# KiCad board tkl_keyboard.kicad_pcb (continued)
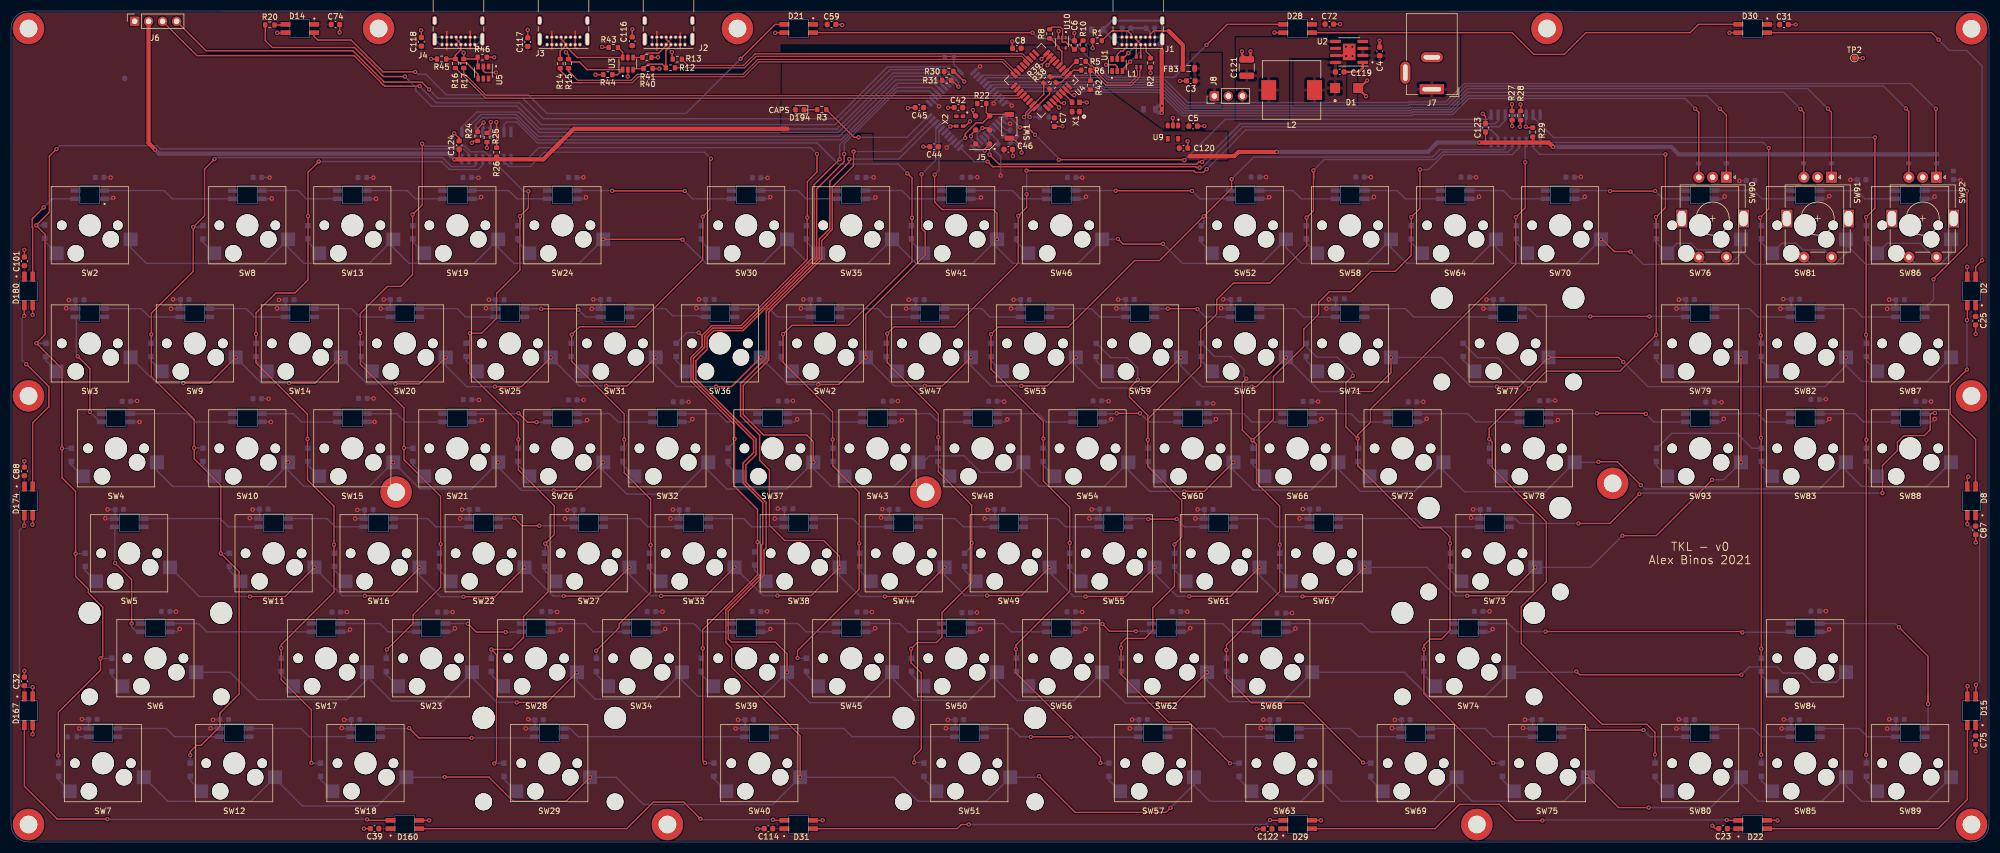
[diagram p0: board, top side]
## Routing (per net, layer and track width the routed paths; a pad name or vN(x,y) marks a point on that pad's centre or on a via; arc(x,y) is an arc through that point) (continued)
GND: length 133.8
  Top w0.25: v2(2.42,107.45) 2.43,107.44 C101.2 ; v2(356.37,16.47) 356.37,16.47 C75.2 ; J5.6 174.48,132.27 v1(174.48,132.83) ; D22.3 320.41,3.93 v2(320.43,3.91) ; v1(87.64,142.4) 87.59,142.44 R46.2 ; C88.2 2.42,69.11 v2(2.43,69.12) ; v2(2.41,31.07) 2.42,31.06 C32.2 ; C122.2 v1(225.93,2.38) ; v1(186.82,140.89) 188.43,142.5 U4.7 ; C23.2 309.12,2.43 v2(308.6,2.95) ; D29.3 237.6,3.93 v2(237.61,3.92) ; C7.2 190.7,129.87 v1(190.72,129.89) ; D8.3 354.85,66.11 v2(355.03,66.29) ; v1(106.02,139.27) 107.43,139.27 R44.2 ; R45.2 76.21,142.1 v1(76.18,142.12) ; C59.2 150.67,148.37 v2(150.77,148.27) ; v1(107.21,144.3) 107.3,144.2 R43.2 ; v2(147.23,3.94) 147.21,3.93 D31.3 ; v1(117.36,142.42) 117.33,142.39 R41.2 ; R40.2 117.57,140.36 v1(117.6,140.33) ; D2.3 354.85,104.36 v2(354.82,104.38) ; C114.2 135.41,2.41 v2(135.38,2.39) ; v1(80.39,128.62) 81.28,127.73 81.28,127.24 ; D160.3 75.85,3.93 v2(75.85,3.93) ; D180.3 3.93,95.65 v2(3.92,95.64) ; C87.2 356.37,54.36 v2(356.36,54.35) ; v1(192.86,146.81) 192.89,146.78 C6.1 ; D15.3 354.85,28.26 v2(354.89,28.3) ; D167.3 3.93,19.55 v2(3.91,19.54) ; v2(3.88,57.59) 3.93,57.63 D174.3 ; U10.3 190,147.14 v1(190.02,147.16) ; U5.2 85.67,139.97 85.99,139.65 v1(87.96,139.65) ; C74.2 59.63,146.96 v1(59.59,146.93) ; v1(266.95,132.18) 267.46,131.67 C123.2 ; U4.7 U4.8 187.86,143.01 186.82,141.96 ; U4.7 U4.6 189,141.95 v1(188,140.95) ; v2(48.28,146.87) 48.34,146.81 49.8,146.81 ; v2(64,2.43) 64.01,2.42 C39.2
  Top w0.254: v1(181.62,145.31) 181.62,144.13 181.69,144.06 C8.2 ; v1(210.74,131.41) 210.76,131.4 U9.2 ; C118.2 74.42,147.29 v1(74.38,147.33) ; C44.2 165.51,126.18 v1(165.48,126.21) ; C120.2 213.45,127.13 v1(213.41,127.17) ; v1(356.35,92.18) 356.36,92.19 C25.2 ; SW1.2 181.73,127.74 183.29,126.18 v1(183.29,125.11) ; R2.1 v1(206.69,139.56) ; X2.2 173.08,129.92 v1(173.94,130.78) ; R1.1 196.2,144.08 v1(196.2,144.08) ; R25.2 86.33,126 v1(86.31,125.98) ; v1(195.12,134.23) 195.11,134.24 X1.2 ; v1(212.01,138.12) 212.03,138.13 C3.2 ; v1(198.62,141.05) 200.32,141.05 200.66,140.72 U1.2 ; C72.2 v1(241.07,148.43) ; R27.2 272.27,133.89 v1(272.26,133.9) ; v1(229.16,146.91) 229.18,146.89 D28.3 ; v1(181.74,124.48) 181.67,124.54 C46.2 ; U4.31 192.38,135.54 v1(192.85,135.54) ; v1(190.09,133.31) 189,134.4 U4.27 ; v1(112.7,147.5) 112.67,147.48 C116.2 ; v1(191.01,134.09) 190.44,134.09 U4.28 ; v1(216.46,129.94) 216.45,129.93 C5.2 ; 140.27,146.89 138.64,146.89 v1(138.61,146.86) ; v1(169.98,133.27) 170,133.29 C42.2 ; v1(83.57,126.89) 83.92,127.25 R24.2 ; v1(93.71,147.4) 93.73,147.39 C117.2 ; C45.2 162.76,133.28 v1(162.67,133.19) ; C31.2 v1(323.72,148.36) ; v1(273.8,133.86) 273.83,133.83 R28.2 ; v1(111.86,138.94) 111.89,138.97 U3.2 ; TP2.1 335.86,142.28 v1(335.89,142.26) ; v1(311.71,146.88) 311.71,146.89 D30.3
  Top w0.406: v1(245.99,138.21) 244.61,136.83 D1.2 244.36,136.78 v1(245.8,135.34) ; v1(248.23,145.43) 248.26,145.41 C4.2 ; v1(224.83,143.47) 224.83,142.72 C121.2 223.28,142.89 v1(223.28,143.49) ; U2.9 242.09,142.75 U2.7
  Bottom w0.254: J2.A1 J2.B12 ; J2.B1 J2.A12 ; J4.A12 77.82,144.72 J4.S1 77.21,146.07 J4.B1 J4.A12 ; J4.B12 J4.A1 84.51,144.72 J4.S1 85.12,146.07 J4.B12
  vias: v1(186.91,142.12) v1(242.15,144.33) v1(242.17,142.62) v1(243.3,144.33) v1(243.34,142.6)
VBUS: length 26.6
  Top w0.254: J1.A9 202.36,144.22 201.67,143.53 201.27,143.53 200.66,142.92 U1.5 ; 209.98,147.22 207.27,147.22 206.61,146.56 J1.B9
  Top w0.762: FB3.2 212.56,144.63 209.98,147.22
  Bottom w0.25: C2.1 206.61,147 J1.B9 ; J1.B4 202.36,146.95 C1.1 ; J1.B4 J1.A9 ; J1.B4 202.36,146.78 ; J1.B9 J1.A4 ; J1.B9 206.61,147
  Bottom w0.406: C1.1 C2.1
/Column Decoder/COL[0]: length 208.5
  Top w0.25: v1(8.59,15.69) 8.59,23.54 16.23,31.18 v1(16.23,33.29) 16.63,33.69 16.63,42.64 14.02,45.26 14.02,45.89 11.71,48.2 v1(11.71,52.32) 11.71,63.62 9.25,66.08 v1(9.25,71.42) 9.25,85.87 v1(4.6,90.52) 6.17,92.09 6.17,110.31 v1(4.57,111.91) 6.96,114.29 6.96,124.46 v1(8.25,125.75) 8.01,125.51
  Bottom w0.25: D35.1 13.37,52.32 v1(11.71,52.32) ; v1(16.23,33.29) 18.22,33.29 D36.1 ; D32.1 6.02,111.91 v1(4.57,111.91) ; D33.1 6.34,90.52 v1(4.6,90.52) ; 83.08,123.89 83.08,124.86 82.17,125.78 27.09,125.78 26.48,126.39 8.88,126.39 v1(8.25,125.75) ; D34.1 10.88,71.42 v1(9.25,71.42) ; D37.1 8.64,15.64 v1(8.59,15.69)
/Column Decoder/COL[1]: length 181.7
  Top w0.25: 36.52,123.54 v1(36.92,123.94) 35.1,122.13 35.1,113.66 v1(33.05,111.6) 33.05,103.57 25.45,95.98 v1(25.45,92.12) 25.45,84.49 33.22,76.71 v1(33.22,71.52) 33.22,69.54 38.05,64.71 v1(38.05,52.37) 41.38,49.04 41.38,26.87 37.87,23.36 37.87,20.93 34.48,17.54 33.65,17.54 32.51,16.4 v1(32.51,15.74)
  Bottom w0.25: D42.1 v1(32.51,15.74) ; D39.1 25.45,90.56 v1(25.45,92.12) ; v1(38.05,52.37) 39.59,52.37 D41.1 ; D38.1 34.56,111.6 v1(33.05,111.6) ; 84.35,123.89 84.35,122.91 84.03,122.59 79.89,122.59 78.26,124.22 37.19,124.22 v1(36.92,123.94) ; v1(33.22,71.52) 34.73,71.52 D40.1
/Column Decoder/COL[2]: length 170.5
  Top w0.25: v1(54.48,14.34) 54.48,23.97 49.01,29.44 v1(49.01,35.19) 49.01,35.81 58.59,45.38 v1(58.59,53.93) 58.59,60.94 53.77,65.75 v1(53.77,73.15) 53.77,77.63 44.44,86.96 v1(44.44,92.2) 44.44,96.02 48.07,99.65 51.51,99.65 53.87,102.01 v1(53.87,113.58) 53.87,121.56 v1(55.81,123.49) 55.41,123.09
  Bottom w0.25: D48.1 54.52,14.31 v1(54.48,14.34) ; D47.1 49.01,33.37 v1(49.01,35.19) ; v1(53.87,113.58) 53.87,111.87 D43.1 ; v1(53.77,73.15) 53.77,71.53 D45.1 ; 85.62,123.89 85.62,122.91 84.76,122.05 79.54,122.05 78.1,123.49 v1(55.81,123.49) ; v1(58.59,53.93) 58.59,52.5 D46.1 ; D44.1 44.44,90.52 v1(44.44,92.2)
/Column Decoder/COL[3]: length 130.8
  Top w0.25: 74.68,126.64 v1(74.59,126.73) 74.59,115.63 v1(72.83,113.87) 72.83,102.98 70.69,100.83 68.28,100.83 63.36,95.92 v1(63.36,92.39) 63.36,86.7 71.29,78.77 v1(71.29,71.52) 71.29,69.36 77.91,62.73 v1(77.91,54.04) 77.91,46.22 72.94,41.24 72.94,39.69 v1(68.17,34.93)
  Bottom w0.25: D53.1 68.07,34.83 v1(68.17,34.93) ; 85.96,125.25 86.89,124.32 86.89,123.89 ; v1(72.83,113.87) 72.83,111.91 D49.1 ; D52.1 77.91,52.6 v1(77.91,54.04) ; D51.1 72.83,71.52 v1(71.29,71.52) ; v1(63.36,92.39) 63.36,90.65 D50.1
  Bottom w0.254: 85.96,125.25 83.37,125.25 82.33,126.28 75.04,126.28 v1(74.59,126.73)
/Column Decoder/COL[4]: length 145.4
  Top w0.25: v1(87.66,14.24) 88.06,14.64 88.06,34.01 v1(87.12,34.94) 90.81,34.94 92.95,37.09 92.95,40.93 97.42,45.4 97.42,53.65 v1(96.91,54.16) 98.54,55.78 98.54,61 92.02,67.52 v1(92.02,73.07) 92.02,76.16 83.22,84.96 v1(83.22,92.32) 85.35,92.32 88.06,95.04 88.06,99.56 92.3,103.8 v1(92.3,113.57) 93.85,115.11 v1(93.85,118.1)
  Top w0.254: 93.73,117.92 93.73,117.99 v1(93.85,118.1)
  Bottom w0.25: v1(83.22,92.32) 83.22,91.18 D55.1 ; v1(87.66,14.24) 87.72,14.31 D59.1 ; D57.1 96.91,52.55 v1(96.91,54.16) ; v1(92.02,73.07) 92.02,71.53 D56.1 ; D54.1 92.3,112.2 v1(92.3,113.57) ; 87.12,32.91 v1(87.12,34.94) D58.1
  Bottom w0.254: v1(93.85,118.1) 92.98,118.1 88.16,122.91 88.16,123.89
/Column Decoder/COL[5]: length 163.7
  Top w0.25: 127.07,123.9 v1(126.95,124.02) 126.76,123.82 126.76,114.79 v1(125.46,113.49) 125.46,105.68 113.28,93.5 103.11,93.5 v1(101.69,92.08) 101.69,87.22 111.23,77.68 v1(111.23,73.03) 111.23,67.01 116.01,62.22 v1(116.01,53.88) 116.01,45.29 110.31,39.59 110.31,38.89 v1(106.13,34.72)
  Bottom w0.25: v1(111.23,73.03) 111.23,71.68 D62.1 ; v1(101.69,92.08) 101.69,90.6 D61.1 ; D63.1 116.01,52.6 v1(116.01,53.88) ; D60.1 125.46,112.08 v1(125.46,113.49) ; 89.43,123.89 89.43,123.51 90.36,122.59 94.15,122.59 96.75,125.19 125.78,125.19 v1(126.95,124.02) ; D64.1 106.17,34.68 v1(106.13,34.72)
/Column Decoder/COL[6]: length 206.2
  Top w0.25: 125.36,89.98 125.36,91.83 v1(124.73,92.45) ; 125.36,89.98 123.32,87.94 123.32,83.56 123.42,83.56 131.22,75.76 v1(131.22,73.16) 131.22,64.52 135.39,60.34 v1(135.39,54.41) 135.39,48.48 125.46,38.55 v1(125.46,35.15) 125.46,14.76 v1(125.87,14.36) ; 125.36,89.98 125.36,91.98 127.1,93.72 132.39,93.72 144.44,105.76 v1(144.44,113.34) 144.44,119.84 146.18,121.59 v1(146.18,124.88)
  Bottom w0.25: v1(125.46,35.15) 125.46,33.6 D69.1 ; v1(144.44,113.34) 144.44,112.01 D65.1 ; D68.1 135.39,53.18 v1(135.39,54.41) ; v1(131.22,73.16) 131.22,72.62 D67.1 ; v1(124.73,92.45) 122.6,92.45 D66.1 ; v1(146.18,124.88) 145.05,126.01 95.71,126.01 93.59,123.89 90.7,123.89 ; v1(125.87,14.36) 125.92,14.31 D70.1
/Column Decoder/COL[7]: length 201.3
  Top w0.25: v1(162.59,121.35) 163.42,120.51 v1(163.42,113.29) 163.42,105.3 151.89,93.77 141.63,93.77 v1(140.03,92.17) 140.03,87.06 149.02,78.07 v1(149.02,73.04) 149.02,68.27 153.85,63.44 v1(153.85,54.18) 153.85,45.92 142.66,34.73 v1(142.66,33.38)
  Bottom w0.25: v1(142.66,33.38) 142.68,33.36 D75.1 ; D71.1 163.42,111.94 v1(163.42,113.29) ; D72.1 140.03,90.84 v1(140.03,92.17) ; D74.1 153.85,52.48 v1(153.85,54.18) ; v1(149.02,73.04) 149.02,71.53 D73.1 ; 158.65,123.04 150.99,123.04 ; 146.2,126.87 95.5,126.87 91.7,130.67 89.85,130.67 89.41,130.23 U7.7
  Bottom w0.254: 146.2,126.87 150.03,123.04 150.99,123.04 ; v1(162.59,121.35) 160.89,123.04 158.65,123.04
/Column Decoder/COL[8]: length 242.1
  Top w0.25: v1(184.23,117.57) 184.23,115.17 v1(182.7,113.65) 182.7,105.05 171.15,93.49 160.16,93.49 v1(158.93,92.26) 158.93,86.96 168.2,77.69 v1(168.2,73.45) 168.2,67.2 174.27,61.13 v1(174.27,54.27) 174.27,47.06 168.86,41.65 168.86,37.18 167.88,36.2 164.4,36.2 v1(163.26,35.06) 163.26,32.51 165.11,30.65 165.11,16.86 163.83,15.58 v1(163.83,14.42)
  Top w0.254: v1(216.89,122.12) 216.28,121.51 214.83,121.51 214.5,121.84 v1(184.2,121.84) ; 184.22,117.58 v1(184.23,117.57)
  Bottom w0.25: 268.83,128.87 269.76,127.94 ; v1(158.93,92.26) 158.93,90.68 D77.1 ; v1(163.26,35.06) 163.26,33.42 D80.1 ; v1(163.83,14.42) 165.38,14.42 165.49,14.31 D81.1 ; v1(168.2,73.45) 168.2,71.51 D78.1 ; v1(174.27,54.27) 174.27,53.7 D79.1 ; v1(182.7,113.65) 182.7,112.17 D76.1
  Bottom w0.254: v1(184.23,117.57) 184.23,121.81 v1(184.2,121.84) ; v1(216.89,122.12) 222.28,127.5 222.28,127.54 223.98,129.24 268.46,129.24 269.76,127.94 269.76,126.96
/Column Decoder/COL[9]: length 213.9
  Top w0.25: v1(221.39,120.3) 221.39,118.6 v1(216.36,113.56) 208.32,105.52 203.82,105.52 191.76,93.46 179.06,93.46 v1(177.75,92.15) 177.75,85.83 187.25,76.34 v1(187.25,73.2) 187.25,65.52 192.03,60.74 v1(192.03,54.29) 192.03,45.48 182.27,35.72 v1(182.27,34.99) 182.27,30.71 197.61,15.37 v1(197.61,14.34)
  Top w0.254: 221.41,120.27 v1(221.39,120.3)
  Bottom w0.25: v1(197.61,14.34) 197.65,14.31 D87.1 ; v1(177.75,92.15) 177.75,90.55 D83.1 ; v1(187.25,73.2) 187.25,71.51 D84.1 ; D85.1 192.03,52.41 v1(192.03,54.29) ; D82.1 216.36,112.3 v1(216.36,113.56) ; D86.1 182.27,33.46 v1(182.27,34.99)
  Bottom w0.254: 271.03,126.96 271.03,125.99 270.71,125.66 260.25,125.66 260.24,125.67 259.17,125.67 257.82,124.32 225.41,124.32 v1(221.39,120.3)
/Column Decoder/COL[10]: length 216.3
  Top w0.25: v1(206.19,73) 206.19,76.75 215.81,86.37 215.81,92.92 218.69,95.8 218.69,98.42 221.71,101.44 228.32,101.44 235.01,108.13 v1(235.01,113.32) 236.25,114.56 v1(236.25,121.89) ; v1(206.19,73) 206.19,77.44 202.86,80.77 202.86,82.39 v1(204.38,83.91) ; v1(206.19,73) 206.19,68.16 212.35,62 212.35,55.33 v1(211.03,54) 211.04,53.99 211.04,46.43 207.1,42.49 207.1,38.36 205.69,36.95 202.24,36.95 201.36,36.07 v1(201.36,35.21) 201.36,30.38 209.98,21.76 213.63,21.76 v1(221.12,14.28)
  Top w0.254: v1(236.25,121.89) 236.29,121.84 236.29,120.34
  Bottom w0.25: v1(201.36,35.21) 201.36,33.42 D92.1 ; v1(206.19,73) 206.19,71.52 D90.1 ; D88.1 235.01,111.9 v1(235.01,113.32) ; v1(204.38,83.91) 204.38,85.98 202.46,87.9 199.46,87.9 D89.1 ; D93.1 221.14,14.31 v1(221.12,14.28) ; D91.1 211.03,52.45 v1(211.03,54)
  Bottom w0.254: v1(236.25,121.89) 238.21,123.86 258.32,123.86 259.68,125.21 260.06,125.21 260.06,125.21 271.52,125.21 272.3,125.99 272.3,126.96
/Column Decoder/COL[11]: length 198.9
  Top w0.25: v1(225.19,72.9) 223.34,74.75 223.34,83.36 v1(224.06,84.09) ; v1(225.19,72.9) 228.99,76.7 228.99,84.45 234.48,89.95 234.48,93.07 237.19,95.78 237.19,97.94 239.11,99.86 243.01,99.86 246.72,103.57 251.07,103.57 253.98,106.48 v1(253.98,113.4) 255.57,114.99 v1(255.57,122.04) ; v1(225.19,72.9) 225.9,72.18 225.9,65.18 230.12,60.96 v1(230.12,53.96) 230.12,45.43 220.46,35.78 v1(220.46,34.82) 220.46,29.79 224.98,25.27 234.37,25.27 v1(245.23,14.41)
  Top w0.254: 255.66,121.96 v1(255.57,122.04)
  Bottom w0.25: v1(230.12,53.96) 230.12,52.41 D97.1 ; D98.1 220.46,33.37 v1(220.46,34.82) ; v1(245.23,14.41) 245.33,14.31 D99.1 ; D95.1 218.28,88.12 221.28,88.12 223.65,85.76 223.65,84.5 v1(224.06,84.09) ; D96.1 225.19,71.57 v1(225.19,72.9) ; D94.1 253.98,111.86 v1(253.98,113.4)
  Bottom w0.254: v1(255.57,122.04) 257.15,122.04 259.86,124.75 272.34,124.75 273.57,125.99 273.57,126.96
/Column Decoder/COL[12]: length 175.8
  Top w0.25: v1(244.27,73.21) 242.12,75.36 242.12,83.33 v1(243.39,84.6) ; v1(244.27,73.21) 244.27,68.27 255.5,57.04 259.32,57.04 261.01,55.35 v1(261.01,54.2) 261.01,38.4 259.43,36.82 257.39,36.82 256.29,35.72 v1(256.29,34.96) 256.29,26.9 v1(268.84,14.34) ; v1(244.27,73.21) 244.27,73.87 246.58,76.18 246.58,78.51 272.95,104.89 v1(272.95,113.4) 274.66,115.1 v1(274.66,123.37) 274.71,123.31
  Bottom w0.25: D100.1 272.95,111.94 v1(272.95,113.4) ; D101.1 234.95,89.89 236.86,87.98 240.57,87.98 243.39,85.16 v1(243.39,84.6) ; D102.1 244.27,71.54 v1(244.27,73.21) ; v1(261.01,54.2) 261.01,52.51 D103.1 ; 274.84,126.96 274.66,126.77 v1(274.66,123.37) ; v1(268.84,14.34) 268.88,14.31 D105.1 ; v1(256.29,34.96) D104.1
/Column Decoder/COL[13]: length 198.2
  Top w0.25: v1(298.2,15.87) 298.2,19.88 296.71,21.37 288.58,21.37 273.93,36.02 273.93,42.69 278.48,47.24 278.48,58.09 268.67,67.9 268.67,72.59 v1(268.12,73.13) 268.12,75.06 v1(275.34,82.27) 278.52,85.45 291.84,85.45 v1(298.42,92.04) 298.42,113.35 v1(298.37,113.4) 300.09,115.12 v1(300.09,124.79)
  Bottom w0.25: D108.1 268.12,71.56 v1(268.12,73.13) ; v1(300.09,124.79) 277.31,124.79 276.11,125.99 276.11,126.96 ; D109.1 298.42,90.54 v1(298.42,92.04) ; v1(275.34,82.27) 269.72,87.89 266.01,87.89 D107.1 ; D106.1 298.37,111.92 v1(298.37,113.4) ; D110.1 298.2,15.87 v1(298.2,15.87)
/Column Decoder/COL[14]: length 182.3
  Top w0.25: v1(317.47,15.84) 317.47,35.07 v1(317.48,35.08) 317.48,73.29 v1(317.4,73.37) 317.4,91.9 v1(317.36,91.95) 317.36,113.22 v1(317.26,113.32) 318.82,114.87 v1(318.82,125.96)
  Bottom w0.25: v1(318.82,125.96) 317.81,126.96 277.38,126.96 ; v1(317.36,91.95) 317.36,90.65 D112.1 ; v1(317.26,113.32) 317.26,112.08 D111.1 ; v1(317.48,35.08) 317.48,33.38 D114.1 ; v1(317.4,73.37) 317.4,71.55 D113.1 315.8,71.46 313.08,74.18 301.23,74.18 298.51,71.46 D192.1 ; v1(317.47,15.84) 317.5,15.81 D115.1
/Column Decoder/COL[15]: length 182.8
  Top w0.25: v1(336.52,15.81) 336.52,72.96 v1(336.54,72.99) 336.54,91.99 v1(336.48,92.05) 336.48,113.39 v1(336.49,113.4) 338.09,115 v1(338.09,127.86)
  Bottom w0.25: D119.1 336.55,15.78 v1(336.52,15.81) ; v1(336.48,92.05) 336.48,90.58 D117.1 ; 276.11,131.91 276.11,131.54 279.79,127.86 v1(338.09,127.86) ; D118.1 336.54,71.46 v1(336.54,72.99) ; D116.1 336.49,111.9 v1(336.49,113.4)
/Column Decoder/COLA[0]: length 96.6
  Bottom w0.25: 81.81,128.84 81.81,129.81 84.49,132.49 92.12,132.49 95.83,128.77 150.01,128.77 160.23,138.99
  Bottom w0.254: 160.23,138.99 168.42,138.99 U6.29
/Column Decoder/COLA[1]: length 94.7
  Bottom w0.25: 160.48,138.32 150.22,128.06 95.61,128.06 91.64,132.04 85.26,132.04 83.08,129.86 83.08,128.84
  Bottom w0.254: U6.28 168.88,137.4 168.86,137.4 167.94,138.32 160.48,138.32
/Column Decoder/COLA[2]: length 92.8
  Bottom w0.25: 84.35,128.84 84.35,130.28 85.49,131.41 91.6,131.41 95.59,127.43 150.54,127.43 159.77,136.66 159.77,136.66 160.5,137.4 160.5,137.4 160.8,137.69
  Bottom w0.254: U6.27 168.31,136.83 168.28,136.83 167.42,137.69 160.8,137.69
/Column Decoder/COLA[3]: length 95.1
  Top w0.254: v1(185.75,128.34) 185.17,128.92 185.17,128.97 184.45,129.69 v1(183.03,129.69) ; v1(212.83,123.74) 212.72,123.84 v1(190.04,123.84)
  Bottom w0.254: v1(212.83,123.74) 220.23,131.14 267.72,131.14 268.49,131.91 ; v1(190.04,123.84) 190.04,124.05 v1(185.75,128.34) ; U6.1 181.04,131.68 v1(183.03,129.69)
/Column Decoder/COLA[4]: length 102.2
  Top w0.25: v1(216.05,123.42) 215.49,123.42 215.08,123.02 179.24,123.02 v1(177.5,124.76)
  Bottom w0.25: 269.76,132.39 269.76,131.91 ; v1(216.05,123.42) 221.5,128.87
  Bottom w0.254: 221.08,128.45 221.09,128.45 222.99,130.35 269.18,130.35 269.76,130.94 269.76,131.91 269.76,131.53 ; v1(177.5,124.76) 177.5,125.79 176.89,126.4 176.89,127.12 U6.8 ; 221.5,128.87 221.5,128.88
/Column Decoder/COLA[5]: length 104.9
  Top w0.25: 178.25,122.56 214.86,122.56 215.03,122.4 v1(215.6,122.4)
  Top w0.254: 178.25,122.56 178.04,122.56 v1(177.13,123.48)
  Bottom w0.25: 221.99,128.33 216.05,122.4 v1(215.6,122.4)
  Bottom w0.254: U6.12 174.74,123.48 v1(177.13,123.48) 177.14,123.46 ; 221.99,128.33 221.99,128.42 223.36,129.8 269.89,129.8 271.03,130.94 271.03,131.91
/Misc/ENC_A[0]: length 151.9
  Top w0.254: SW90.A 311.15,131.9 v1(309.96,133.08)
  Bottom w0.254: U6.40 178.58,136.94 197.71,136.94 198.14,136.51 208.38,136.51 212.61,132.28 254.01,132.28 254.22,132.5 261.3,132.5 264.24,135.44 264.66,135.44 264.68,135.43 307.62,135.43 v1(309.96,133.08) ; R35.2 311.13,120.67 SW90.A
/Misc/ENC_A[1]: length 173.1
  Top w0.254: SW91.A 330.2,132.44 v1(329.55,133.09)
  Bottom w0.25: SW91.A 330.23,120.68 R36.2
  Bottom w0.254: v1(329.55,133.09) 325.9,136.74 264.24,136.74 260.9,133.4 253.85,133.4 253.63,133.19 212.98,133.19 208.75,137.42 198.52,137.42 197.96,137.98 177.35,137.98 U6.38
/Misc/ENC_A[2]: length 194
  Top w0.254: v1(349.15,133.05) 349.15,120.75 SW92.A
  Bottom w0.25: R37.2 SW92.A
  Bottom w0.254: U6.36 176.28,139.16 198.06,139.16 198.9,138.33 209.31,138.33 213.42,134.21 253.37,134.21 253.47,134.31 260.26,134.31 263.6,137.65 344.55,137.65 v1(349.15,133.05)
/Misc/ENC_B[0]: length 146.3
  Top w0.254: v1(305.49,133.08) 306.15,132.41 SW90.B
  Bottom w0.254: R32.2 306.12,120.68 SW90.B ; U6.41 179.04,136.27 197.74,136.27 197.96,136.06 208.19,136.06 212.42,131.83 254.2,131.83 254.41,132.04 261.53,132.04 264.43,134.94 303.62,134.94 v1(305.49,133.08)
/Misc/ENC_B[1]: length 167.1
  Top w0.254: SW91.B 325.2,132.39 v1(324.58,133.01)
  Bottom w0.25: SW91.B 325.14,120.71 R33.2
  Bottom w0.254: U6.39 177.96,137.45 197.85,137.45 198.33,136.96 208.57,136.96 212.79,132.73 253.82,132.73 254.04,132.95 261.11,132.95 264.24,136.08 264.61,136.08 264.63,136.07 321.53,136.07 v1(324.58,133.01)
/Misc/ENC_B[2]: length 188.2
  Top w0.254: v1(343.7,133.13) 344.25,132.58 SW92.B
  Bottom w0.25: R34.2 344.22,120.68 SW92.B
  Bottom w0.254: U6.37 176.96,138.71 197.87,138.71 198.71,137.87 208.94,137.87 213.17,133.64 253.44,133.64 253.66,133.86 260.55,133.86 263.89,137.2 339.63,137.2 v1(343.7,133.13)
/Misc/SCL: length 158
  Top w0.25: v1(75.84,136.59) 74.52,137.92 67.59,137.92
  Top w0.254: v1(172.9,138.02) 171.04,139.87 R30.2 ; 67.59,137.92 67.59,138.02 62,143.61 35.37,143.61 J6.4
  Bottom w0.25: 158.98,140.66 149.58,131.26 96.55,131.26 92.84,134.97 77.39,134.97 76.56,135.79 76.56,135.87 v1(75.84,136.59)
  Bottom w0.254: v1(172.9,138.02) 172.78,138.02 U6.32 170.14,140.66 158.98,140.66
/Misc/SDA: length 159.9
  Top w0.25: 32.19,144.25 J6.3 ; v1(74.11,137.17) 70.72,137.17
  Top w0.254: 70.72,137.17 67.8,137.17 67.51,137.46 67.4,137.46 67.14,137.73 67.14,137.83 62.25,142.72 33.72,142.72 32.19,144.25 ; v1(171.86,137.08) 170.69,138.25 R31.2
  Bottom w0.25: v1(74.11,137.17) 77.13,134.16 92.25,134.16 96.22,130.19 149.48,130.19 159.47,140.19
  Bottom w0.254: 159.47,140.19 169.5,140.19 170.57,139.12 170.57,139.1 U6.31 171.86,137.81 v1(171.86,137.08)
/Switches/ROW[1]: length 448.5
  Top w0.25: v1(204.98,82.39) 206.64,82.39 v1(212.2,87.95) ; v1(183.26,82.77) 187.97,82.77 v1(193.15,87.95) ; v1(78.85,87.95) 74.05,83.15 v1(69.72,83.15) ; v1(146.43,83.03) 150.13,83.03 v1(155.05,87.95) 155.05,95.73 157.36,98.05 ; v1(87.76,82.65) 92.6,82.65 v1(97.9,87.95) ; v1(231.25,87.95) 225.95,82.65 v1(225.04,82.65) ; v1(50.42,83.28) 55.13,83.28 v1(59.8,87.95) ; v1(174.1,87.95) 168.92,82.77 v1(165.73,82.77) ; v1(243.71,81.76) 246.89,81.76 250.3,85.17 v1(250.3,87.95) ; v1(292.45,87.1) 291.6,87.95 v1(278.87,87.95) 273.57,82.65 v1(269.49,82.65) ; v1(40.75,87.95) 36.08,83.28 v1(31.24,83.28) ; v1(127.89,82.65) 130.7,82.65 v1(136,87.95) ; v1(116.95,87.95) 111.77,82.77 v1(107.95,82.77)
  Top w0.254: 157.36,98.05 165.81,106.5 165.81,110.7 165.17,111.34 v1(165.16,121.18) 165.17,121.17
  Bottom w0.25: v1(97.9,87.95) 103.07,82.77 v1(107.95,82.77) ; v1(87.76,82.65) 82.65,82.65 78.85,86.45 v1(78.85,87.95) ; v1(212.2,87.95) 212.2,86.45 216,82.65 v1(225.04,82.65) ; SW3.1 26.36,83.28 v1(31.24,83.28) ; v1(243.71,81.76) 237.44,81.76 v1(231.25,87.95) ; v1(40.75,87.95) 45.41,83.28 v1(50.42,83.28) ; v1(193.15,87.95) 193.15,86.45 197.2,82.39 v1(204.98,82.39) ; v1(69.72,83.15) 64.59,83.15 v1(59.8,87.95) ; v1(250.3,87.95) 259.49,87.95 264.8,82.65 v1(269.49,82.65) ; 332.85,86.45 335.71,83.58 347.53,83.58 SW87.1 ; 332.85,86.45 v1(332.85,87.95) ; 332.85,86.45 329.05,82.65 296.9,82.65 v1(292.45,87.1) ; v1(155.05,87.95) 160.22,82.77 v1(165.73,82.77) ; v1(183.26,82.77) 177.77,82.77 174.1,86.45 v1(174.1,87.95) ; v1(116.95,87.95) 116.95,86.45 120.75,82.65 v1(127.89,82.65) ; v1(146.43,83.03) 140.92,83.03 v1(136,87.95)
  Bottom w0.254: v1(165.16,121.18) 167.74,123.76 167.74,129.5 U6.19
/Switches/ROW[2]: length 485.6
  Top w0.25: v1(98.4,63.81) 102.34,63.81 v1(107.42,68.9) ; v1(212.81,63.63) 216.46,63.63 v1(221.72,68.9) ; v1(152.83,125.32) 152.83,122.72 148.97,118.86 148.97,111.16 148.02,110.2 148.02,110.09 147.06,109.14 147.06,105.8 ; v1(287.92,69.01) 291.39,69.01 v1(295.63,64.76) ; v1(145.52,68.9) 145.52,72.68 144.32,73.88 136.52,73.88 132.82,77.59 132.82,82.84 137.44,87.46 137.44,96.17
  Top w0.254: 137.44,96.17 147.06,105.8 147.06,105.8 ; 138.06,96.79 138.06,96.73
  Bottom w0.25: v1(295.63,64.76) 296.31,64.08 328.03,64.08 SW83.1 332.85,67.4 335.71,64.53 347.53,64.53 SW88.1 ; v1(98.4,63.81) 92.6,63.81 88.37,68.03 v1(88.37,68.9) 83.55,64.08 74.17,64.08 69.35,68.9 v1(69.32,68.9) 64.96,64.53 53.14,64.53 50.27,67.4 v1(50.27,68.9) 50.27,68.49 46.31,64.53 29.33,64.53 26.46,67.4 SW4.1 ; v1(107.42,68.9) 107.42,67.4 111.68,63.14 120.71,63.14 SW32.1 126.47,67.4 129.82,64.05 140.68,64.05 v1(145.52,68.9) 145.52,67.77 148.76,64.53 160.21,64.53 SW43.1 165.42,68.9 166.61,70.08 172.86,70.08 175.87,67.07 181.8,67.07 SW48.1 183.62,67.4 186.49,64.53 198.31,64.53 SW54.1 202.67,67.46 206.5,63.63 v1(212.81,63.63) ; v1(221.72,68.9) 221.72,67.48 225.34,63.86 235.74,63.86 SW66.1 240.77,67.64 244.75,63.66 254.58,63.66 SW72.1 259.82,67.4 263.66,63.56 278.29,63.56 SW78.1 287.81,68.9 v1(287.92,69.01)
  Bottom w0.254: v1(152.83,125.32) 161.3,125.32 U6.21
/Switches/ROW[3]: length 482.5
  Top w0.25: v1(276.49,49.85) 271.32,44.68 v1(264.13,44.68) ; v1(245.53,49.85) 240.24,44.55 v1(234.25,44.55) ; 132.33,78.29 132.33,77.31 135.79,73.86 135.79,69.27 137.57,67.49 137.57,57.46 140.32,54.71 147.41,54.71 150.28,51.83 v1(150.28,49.85) 145.16,44.72 v1(139.01,44.72) ; v1(55.03,49.85) 49.73,44.55 v1(43.33,44.55) ; 136.04,86.91 136.99,87.86 136.99,96.36 137.23,96.61 146.61,105.99 146.61,109.42 147.56,110.37 147.56,110.39 148.52,111.34 148.52,119.87 152.04,123.39 v1(152.04,123.95) ; v1(117.91,44.68) 126.07,44.68 v1(131.23,49.85) ; v1(82.05,44.51) 87.79,44.51 v1(93.14,49.85) ; v1(64.17,44.68) 69.06,44.68 74.09,49.7 v1(74.09,49.85) ; v1(292.28,55.59) 298.42,55.59 v1(308.56,65.74) ; v1(177.04,44.72) 183.26,44.72 v1(188.38,49.85) ; v1(194.88,44.55) 202.14,44.55 v1(207.44,49.85) ; v1(226.48,49.85) 221.23,44.59 v1(213.72,44.59) ; v1(313.8,68.9) v1(313.8,87.95) ; v1(158.5,44.55) 164.04,44.55 v1(169.33,49.85) ; v1(112.19,49.85) 106.97,44.64 v1(100.24,44.64)
  Top w0.254: 132.33,78.29 132.33,83.2 136.04,86.91
  Bottom w0.25: v1(313.8,68.9) 310.64,65.74 v1(308.56,65.74) ; v1(264.13,44.68) 261.97,44.68 256.8,49.85 v1(245.53,49.85) ; v1(117.91,44.68) 116.01,44.68 112.19,48.5 v1(112.19,49.85) ; v1(234.25,44.55) 230.26,44.55 226.48,48.33 v1(226.48,49.85) ; SW5.1 34.14,44.55 v1(43.33,44.55) ; 207.96,50.38 v1(207.44,49.85) 207.44,48.67 211.51,44.59 v1(213.72,44.59) ; v1(292.28,55.59) 286.53,49.85 v1(276.49,49.85) ; v1(194.88,44.55) 192.76,44.55 188.38,48.92 v1(188.38,49.85) ; v1(139.01,44.72) 136.36,44.72 v1(131.23,49.85) ; v1(158.5,44.55) 154.04,44.55 150.28,48.3 v1(150.28,49.85) ; v1(177.04,44.72) 173.05,44.72 169.33,48.44 v1(169.33,49.85) ; v1(64.17,44.68) 60.1,44.68 55.03,49.74 v1(55.03,49.85) ; v1(93.14,49.85) 98.35,44.64 v1(100.24,44.64) ; v1(74.09,49.85) 74.09,48.35 77.93,44.51 v1(82.05,44.51)
  Bottom w0.254: U6.20 167.61,130.55 161.02,123.95 v1(152.04,123.95)
/Switches/ROW[4]: length 509.4
  Top w0.25: v1(207.91,25.2) 211.36,25.2 v1(216.96,30.8) ; v1(151.12,124.87) 151.12,123.51 146.12,118.51 146.12,106.13 137.04,97.06 137.03,97.06 132.79,92.81 127.47,92.81 126.26,91.6 126.26,89.39 124.22,87.35 124.22,84.03 135.14,73.12 135.14,70.29 133.3,68.45 133.3,65.3 136.96,61.63 136.96,53.33 136.59,52.96 136.59,48.4 130.1,41.9 130.1,36.87 130.68,36.29 138.63,36.29 140.76,34.16 v1(140.76,30.8) ; v1(91.73,25.33) 97.2,25.33 v1(102.66,30.8) ; v1(313.87,30.35) 284.53,30.35 v1(283.92,30.96)